# KiCad board processed.kicad_pcb (continued)
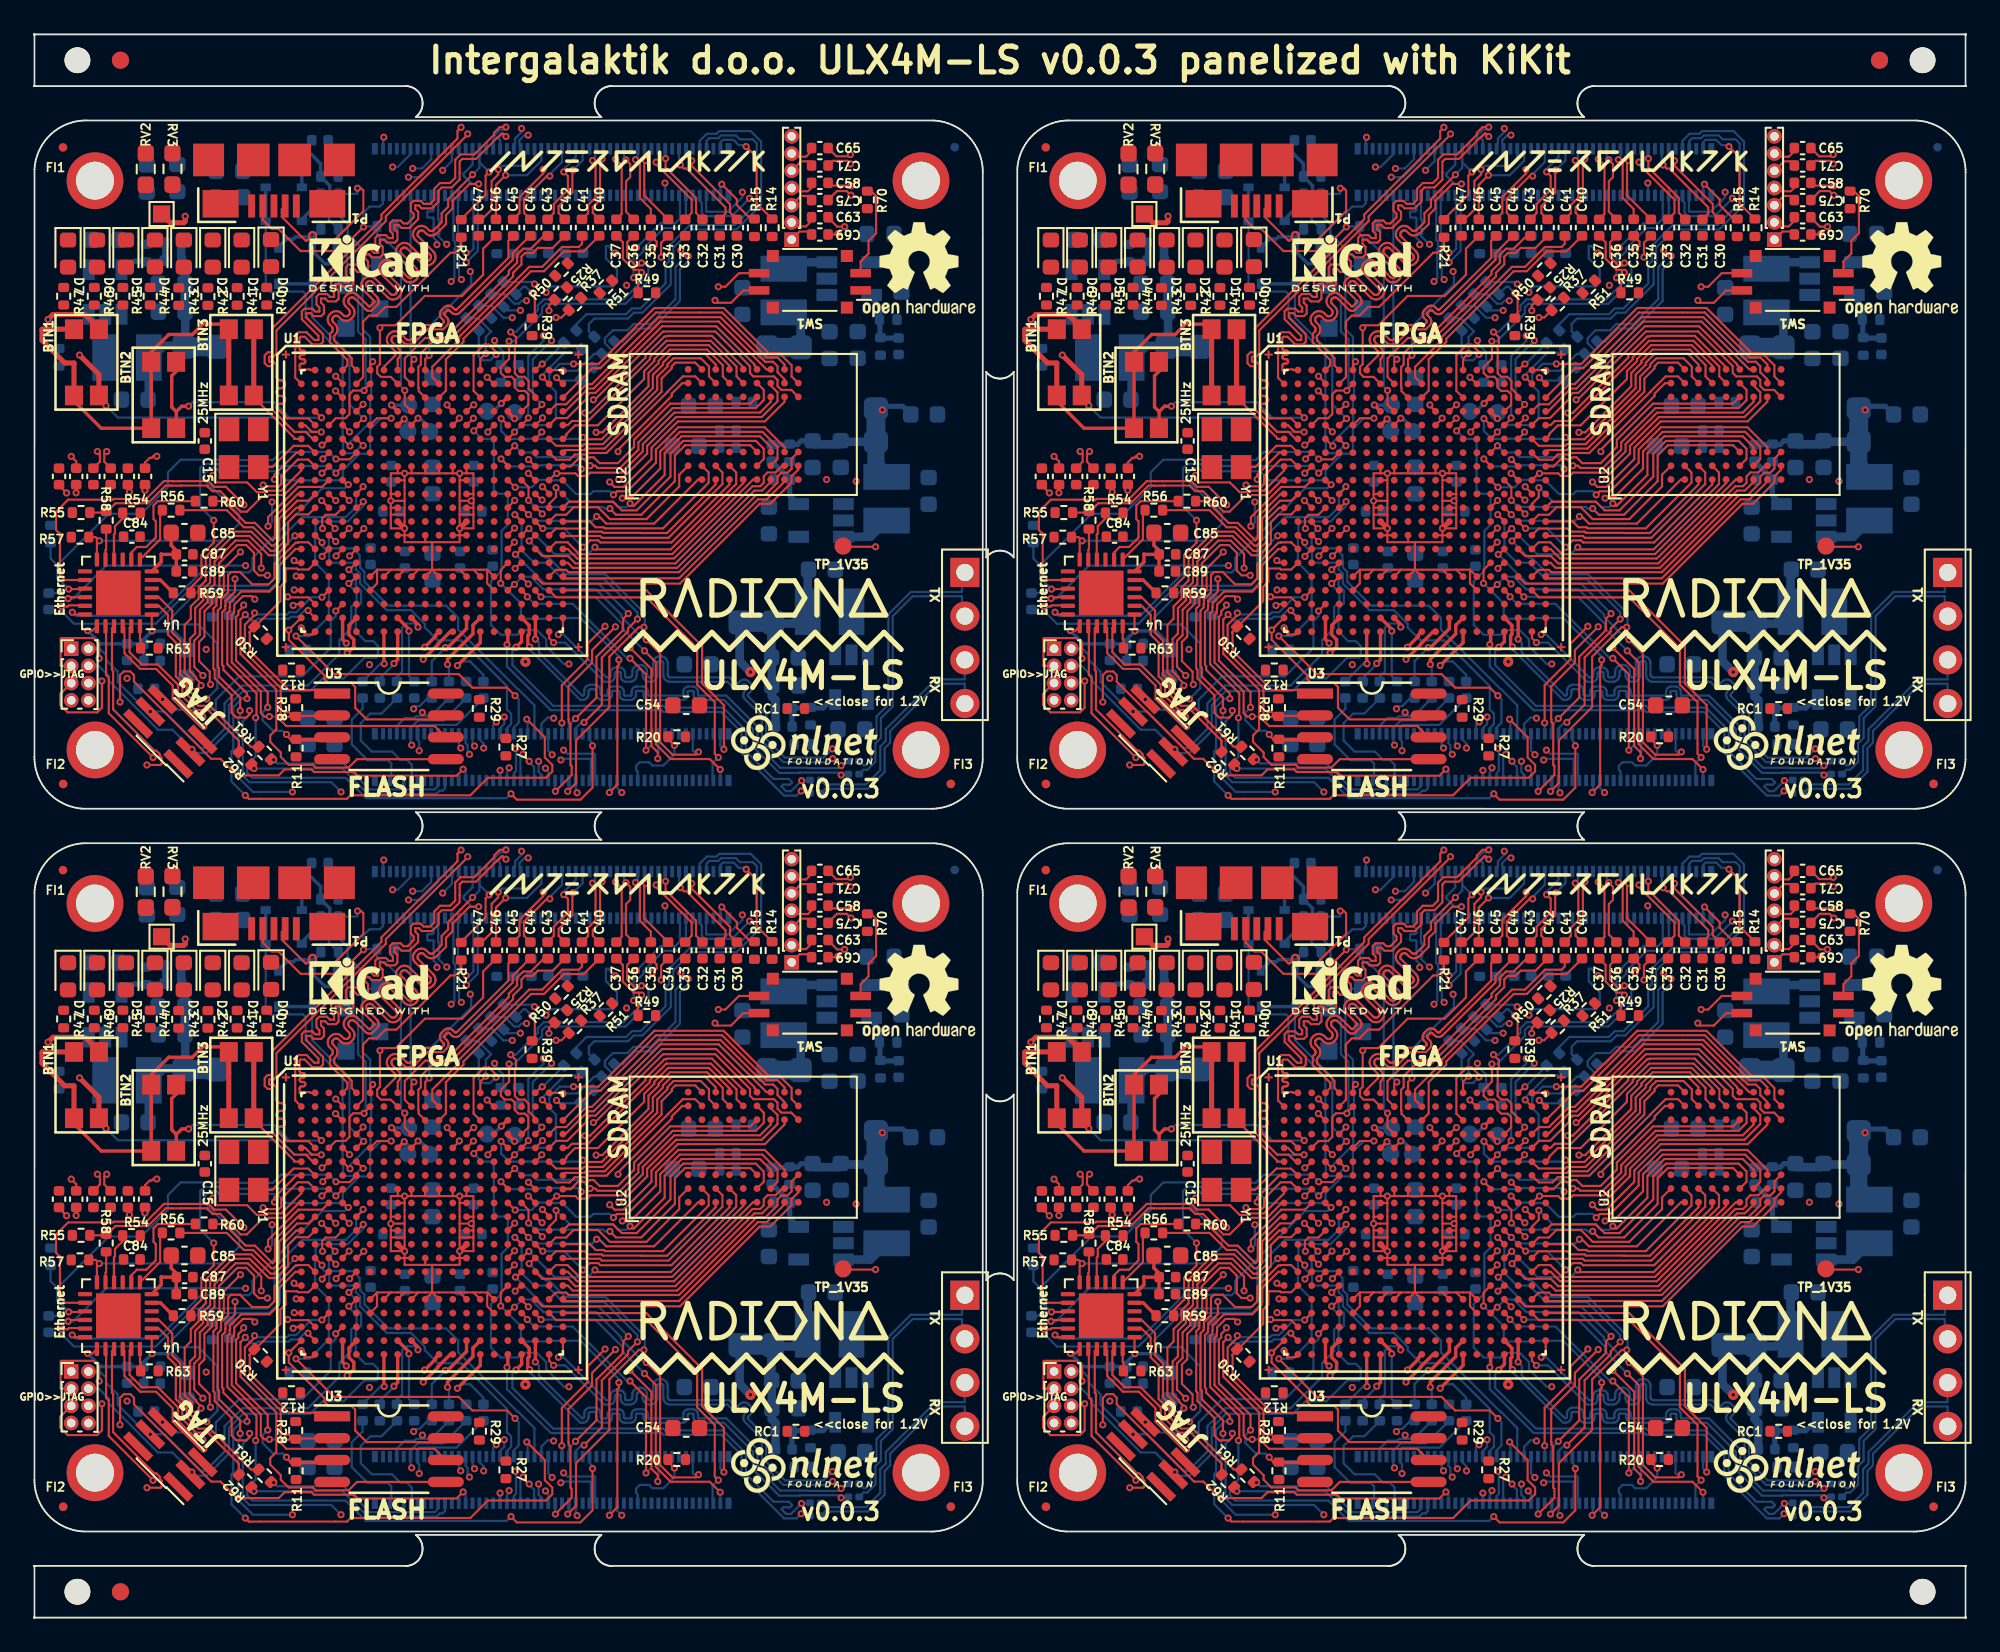
[diagram p0: board, top side]
## Routing (per net, layer and track width the routed paths; a pad name or vN(x,y) marks a point on that pad's centre or on a via; arc(x,y) is an arc through that point) (continued)
Board_1-SDRAM_D10: length 13.8
  Top w0.127: v1(88.99,62.2) 89.39,62.6 89.88,62.6 90,62.48 94.12,62.48 97.5,65.85 U2#2.D1 ; v1(86.65,63.29) 86.62,63.29 U1#2.M18
  Bottom w0.127: v1(88.99,62.2) 87.9,63.29 v1(86.65,63.29)
Board_1-SDRAM_D11: length 11.9
  Top w0.127: U2#2.C2 97.09,66.54 97.09,65.88 93.96,62.75 90.09,62.75 89.98,62.85 87.86,62.85 U1#2.N20
Board_1-SDRAM_D12: length 11.4
  Top w0.127: U2#2.C1 96.7,65.85 93.87,63.03 92.39,63.03 92.38,63.04 90.16,63.04 90.09,63.11 89.28,63.11 89.1,63.29 87.41,63.29 U1#2.N19
Board_1-SDRAM_D13: length 10.9
  Top w0.127: U2#2.B2 96.29,66.54 96.29,65.95 93.64,63.3 90.26,63.3 90.19,63.36 89.72,63.36 89.39,63.7 U1#2.M20
Board_1-SDRAM_D14: length 10.4
  Top w0.127: U1#2.M19 87.41,64.09 88.01,64.09 88.45,64.53 89.86,64.53 90.55,63.84 92.68,63.84 94.58,65.74 94.58,66.42 U2#2.A2
Board_1-SDRAM_D15: length 12.1
  Top w0.127: v1(89.78,63.99) 89.92,63.99 90.33,63.58 93.12,63.58 95.68,66.14 U2#2.B1 ; U1#2.L17 v1(85.82,64.1)
  Bottom w0.127: v1(89.78,63.99) 89.53,63.74 86.18,63.74 v1(85.82,64.1)
Board_1-SDRAM_DQM0: length 13.9
  Top w0.127: U2#2.E8 97.91,72.13 97.91,72.7 96.41,74.2 93.83,74.2 92.88,73.24 92.88,73.13 89.29,69.54 88.34,69.54 88.1,69.3 U1#2.E20
Board_1-SDRAM_DQM1: length 13.4
  Top w0.127: U1#2.P20 88.1,62.1 88.65,61.55 94.28,61.55 98.87,66.14 U2#2.F1
Board_1-SDRAM_nCAS: length 13.5
  Top w0.127: U2#2.F7 98.71,70.54 94.06,70.54 91.95,68.44 91.95,68.03 91.01,67.09 89.95,67.09 89.61,67.43 89.36,67.43 89.25,67.32 88.69,67.32 88.27,66.9 U1#2.H20
Board_1-SDRAM_nCS: length 15.4
  Top w0.127: U1#2.D20 87.96,70.1 89.29,71.42 89.61,71.42 93.5,75.32 96.87,75.32 99.65,72.54 U2#2.G9
Board_1-SDRAM_nRAS: length 18.6
  Top w0.127: U1#2.G16 v1(85.02,68.09) ; U2#2.F8 99.49,71.34 99.49,70.75 99.03,70.29 94.2,70.29 92.21,68.29 92.21,67.87 91.14,66.81 89.83,66.81 89.7,66.94 v1(89.4,66.94)
  Bottom w0.127: v1(85.02,68.09) 85.41,67.7 86.01,67.7 86.28,67.44 88.9,67.44 v1(89.4,66.94)
Board_1-SDRAM_nWE: length 15.7
  Top w0.127: U1#2.E19 87.43,69.7 88.07,69.7 89.19,70.83 89.19,70.97 89.39,71.17 89.71,71.17 93.58,75.04 96.73,75.04 98.94,72.83 98.94,72.78 99.1,72.63 U2#2.F9
Board_1-SRCLK1N: length 1.4
  Top w0.127: C69#2.2 102.1,80.55 101.58,80.55 J5#2.1
Board_1-SRCLK1P: length 1.6
  Top w0.127: C63#2.1 102.27,81.17 101.95,80.85 101.34,80.85 J5#2.2
Board_1-SRX11N: length 1.5
  Top w0.127: C71#2.2 102.03,84.63 101.66,84.63 J5#2.5
Board_1-SRX11P: length 1.5
  Top w0.127: J5#2.6 101.29,84.9 101.95,84.9 102.27,85.22 C65#2.1
Board_1-STX11N: length 1.5
  Top w0.127: C75#2.2 102.03,82.62 101.65,82.62 J5#2.3
Board_1-STX11P: length 1.6
  Top w0.127: J5#2.4 101.3,82.89 102.06,82.89 102.27,83.1 C58#2.1
Board_1-SW1: length 24.2
  Top w0.127: SW1#2.4 98.31,77.13 97.59,76.41 96.8,76.41 v1(96.66,76.55) ; v1(86.62,64.14) 86.26,64.5 U1#2.L18
  In2.Cu w0.127: v1(86.62,64.14) 88.64,64.14 89.28,63.5 91.98,63.5 92.73,64.25 92.73,72.84 96.44,76.55 v1(96.66,76.55)
Board_1-SW2: length 24.4
  Top w0.127: U1#2.K18 86.57,64.94 v1(86.61,64.94) ; SW1#2.3 98.05,78.13 97.26,77.34 v1(96.85,77.34)
  In2.Cu w0.127: v1(86.61,64.94) 87.14,64.42 89.93,64.42 90.4,63.95 92.01,63.95 92.48,64.41 92.48,72.96 v1(96.85,77.34)
Board_1-US2_ID: length 23.1
  Top w0.127: v1(78.63,71.31) 78.63,70.49 U1#2.D9 ; v1(76.23,80.81) 74.83,79.41 72.58,79.41 71.29,80.71 70.9,80.71 70.38,81.23 P1#2.4
  Bottom w0.127: J2#2.1 77.37,82.19 77.18,82 76.58,82 76.23,81.65 v1(76.23,80.81) 76.27,80.85 R19#2.1 77.01,80.38 77.29,80.1 77.49,80.1 78.41,79.18 78.41,71.54 v1(78.63,71.32)
Board_1-USB_FPGA_D+: length 23.1
  Top w0.127: U1#2.F4 75.43,68.08 v1(75.45,68.08) ; U1#2.A6 76.62,72.84 v1(76.77,72.98)
  Bottom w0.127: v1(75.45,68.08) 75.45,68.29 76.64,69.49 76.64,69.8 76.62,69.82 76.62,70.7 76.68,70.76 76.68,72.9 v1(76.77,72.98) 76.62,73.13 76.62,74.43 76.18,74.87 76.18,78.17 76.55,78.55 D8#2.1 75.31,80.42 75.31,80.98 74.78,81.51 R5#2.2 74.78,81.94 74.27,82.45 74.27,82.85
  Bottom w0.2: 74.27,82.85 74.27,83.22 R2#2.2 73.74,84.49 73.04,85.18 72.29,85.18 R4#2.2
Board_1-USB_FPGA_D-: length 16.7
  Top w0.127: U1#2.E3 74.62,69.7 75.18,69.7 75.42,69.94 75.42,71.09 75.63,71.3 v1(76.27,71.3) 76.27,71.34 U1#2.B6
  Bottom w0.127: R7#2.2 74.22,81.23 74.22,82.14 73.75,82.62 R1#2.2 ; R6#2.2 75.27,79.18 75.27,77.48 D9#2.1 75.92,76.73 75.92,74.74 76.36,74.3 76.36,71.4 v1(76.27,71.3)
  Bottom w0.2: R6#2.2 74.76,80.67 R7#2.2
Board_1-USB_FPGA_PULL_D+: length 20.3
  Top w0.127: U1#2.F5 76.21,68.11 v1(76.21,68.11)
  Bottom w0.127: D11#2.1 70.55,77.35 70.88,77.01 71.64,77.01 71.68,77.06 72.72,77.06 72.87,76.91 72.87,75.56 75.02,73.41 75.02,68.31 75.05,68.28 75.05,67.68 75.06,67.67 75.67,67.67 76.11,68.11 v1(76.21,68.11)
  Bottom w0.2: D11#2.1 D10#2.2
Board_1-USB_FPGA_PULL_D-: length 11.6
  Top w0.127: U1#2.E5 76.2,69.68 v1(76.24,69.68)
  Bottom w0.127: D12#2.2 73.25,77.48 73.25,75.56 75.42,73.39 75.42,70.5 v1(76.24,69.68)
  Bottom w0.2: D13#2.1 73.22,77.51 D12#2.2
Board_1-USB_N: length 10.4
  Top w0.127: P1#2.2 71.48,81.83 71.48,81.4 72.87,80.01 72.92,80.02 72.96,80.03 73,80.06 73.03,80.09 73.05,80.13 73.07,80.17 73.07,80.21 73.07,80.31 73.08,80.36 73.09,80.4 73.12,80.44 73.15,80.47 73.19,80.49 73.23,80.51 73.27,80.51 73.32,80.51 73.36,80.49 73.4,80.47 73.43,80.44 73.45,80.4 73.47,80.36 73.47,80.31 73.47,80.21 73.48,80.17 73.49,80.13 73.52,80.09 73.55,80.06 73.59,80.03 73.63,80.02 73.67,80.01 74.51,80.01 76.22,81.73 76.22,82.93 76.09,83.06 v1(75.88,83.06)
  Bottom w0.127: v1(75.88,83.06) 75.88,82.78 75.84,82.74 R1#2.1
Board_2-+1V1: length 125
  Top w0.127: 24.71,22.09 24.71,22.89 ; 24.71,22.09 25.51,22.09 ; 24.71,22.09 v1(24.71,21.29) ; U1#3.T6 19.91,18.89 ; 19.91,18.89 19.91,18.09 U1#3.U6 ; 19.91,18.89 20.71,18.89 ; U1#3.N12 24.71,20.89 ; 24.71,20.89 U1#3.N13 ; 24.71,20.89 v1(24.71,21.29) ; 24.71,20.89 24.71,20.49 23.11,20.49 ; 26.31,18.89 26.31,18.09 U1#3.U15 ; 26.31,18.89 U1#3.T15 ; 26.31,18.89 25.51,18.89 ; U1#3.N8 21.51,20.89 ; 21.51,20.89 v1(21.51,21.29) ; 21.51,20.89 U1#3.N9 ; 21.51,20.89 21.51,20.49 22.71,20.49 ; v1(24.71,21.29) 25.51,21.29 25.51,22.09 ; v1(20.71,22.89) 21.51,22.89 ; v1(20.71,22.89) 20.71,22.49 ; v1(20.71,22.89) 20.71,23.29 ; U1#3.J8 21.51,24.09 ; 21.51,24.09 21.51,22.89 ; 21.51,24.09 v1(21.51,24.49) ; 20.71,22.49 20.71,22.09 ; 20.71,22.49 U1#3.L8 ; U1#3.H13 25.11,24.49 ; 25.11,24.49 v1(24.71,24.49) ; 25.11,24.49 25.51,24.49 25.51,23.29 ; 24.31,24.49 v1(24.71,24.49) ; 24.31,24.49 U1#3.H12 ; 24.31,24.49 23.51,24.49 ; v1(24.71,24.49) 24.71,24.09 ; 21.51,22.09 v1(21.51,21.29) ; 21.51,22.09 21.51,22.89 ; 21.51,22.09 20.71,22.09 ; 23.11,20.49 23.11,18.89 ; 23.11,20.49 22.71,20.49 ; 23.11,18.89 24.71,18.89 ; 23.11,18.89 U1#3.T11 ; 23.11,18.89 22.31,18.89 ; 23.11,18.89 U1#3.T10 ; 23.51,24.49 22.71,24.49 ; 23.51,24.49 U1#3.H11 ; 24.71,24.09 24.71,22.89 ; 24.71,24.09 U1#3.J13 ; v1(21.51,24.49) 21.91,24.49 ; v1(21.51,24.49) 21.11,24.49 ; 21.91,24.49 22.71,24.49 ; 21.91,24.49 U1#3.H9 ; v1(25.38,22.89) 25.51,22.77 25.51,22.49 ; v1(25.38,22.89) 25.51,23.02 25.51,23.29 ; v1(25.38,22.89) 24.71,22.89 ; 24.71,18.89 25.51,18.89 ; 24.71,18.89 U1#3.T13 ; U1#3.T14 25.51,18.89 ; U1#3.H10 22.71,24.49 ; 21.51,18.89 22.31,18.89 ; 21.51,18.89 20.71,18.89 ; 21.51,18.89 U1#3.T8 ; v1(21.51,21.29) 20.71,21.29 20.71,22.09 ; U1#3.K13 25.51,23.29 ; U1#3.L13 25.51,22.49 ; 25.51,22.49 25.51,22.09 ; 22.71,20.49 U1#3.N10 ; 21.11,24.49 U1#3.H8 ; 21.11,24.49 20.71,24.49 20.71,23.29 ; 22.31,18.89 U1#3.T9 ; U1#3.T7 20.71,18.89 ; 20.71,23.29 U1#3.K8
  Top w0.3: 1.1V_1#2.1 7.9,39.05 8.68,39.05 8.76,39.14 v1(8.76,39.43) ; U1#3.M8 v1(21.51,21.29) ; U1#3.M13 v1(24.71,21.29)
  In2.Cu w0.3: v1(19.47,13.37) 19.14,13.04 11.2,13.04 v1(9.98,14.26)
  In3.Cu w0.3: v1(9.98,14.26) 9.93,14.31 9.93,22.06 9.45,22.55 9.45,29.53 9.1,29.88 9.1,39.09 v1(8.76,39.43) ; v2(28.53,13.55) 27.62,12.64 20.21,12.64 v1(19.47,13.37) 21.27,15.18 21.27,15.55 22.5,16.78 22.54,16.78 22.8,17.03 22.8,20.01 v1(21.51,21.29)
  In3.Cu w0.5: v2(28.53,13.55) 29.44,12.64 41.3,12.64 v2(41.61,12.94)
  Bottom w0.5: RP1#3.2 40.98,13.57 v2(41.61,12.94)
Board_2-+1V35: length 19.8
  Top w0.127: v1(48.88,20.22) 47.03,20.22 TP_1V35#3.1
  In3.Cu w0.3: v1(48.88,20.22) 46.66,22.45 46.66,23.51 v1(46.03,24.14) 47.65,24.14 v1(47.75,24.03) 48.18,24.46 48.18,25.37 47.68,25.87 48.47,26.67 48.47,29.76 48.53,29.69 49.15,29.69 49.15,28.29 v1(49.27,28.18)
  Bottom w0.3: RP4#3.2 48.99,28.18 v1(49.27,28.18) 49.48,28.39 50.45,28.39 C98#3.1
Board_2-+3.3VA: length 13.5
  Top w0.127: U4#3.1 6.82,15.36 v1(6.84,15.33) ; v1(3.09,15.35) 3.38,15.35 U4#3.19
  In3.Cu w0.2: v1(3.09,15.35) 3.11,15.33 v1(6.84,15.33)
  Bottom w0.2: C90#3.1 C86#3.1 3.86,14.58 v1(3.09,15.35) ; C90#3.1 6.36,14.85 v1(6.84,15.33) 8.06,15.33 8.84,14.55 FB1#3.2 ; C90#3.1 6.36,13.6 C88#3.1
Board_2-/ethernet/ACTLED: length 12.2
  Top w0.127: R61#3.2 12.58,8.61 10.2,10.98 9.52,10.98 8.85,11.65 8.85,12.43 8.47,12.8 8.47,14.77 8.01,15.23 8.01,16.51 7.23,17.29 U4#3.3
Board_2-/ethernet/LINKLED: length 11.2
  Top w0.127: R62#3.2 11.88,8.95 10.1,10.73 9.41,10.73 8.59,11.55 8.59,12.32 8.22,12.7 8.22,14.67 7.76,15.13 7.76,16.27 7.23,16.79 U4#3.2
Board_2-/ethernet/RBIAS: length 1.3
  Top w0.127: U4#3.24 6.13,14.88 6.17,14.84 R63#3.1
Board_2-/ethernet/XTAL: length 1.6
  Top w0.2: U4#3.5 7.32,18.29 R59#3.1
Board_2-/flash/FLASH_MISO: length 16.6
  Top w0.127: U3#3.2 17.28,10.4 15.18,10.4 ; v1(14.72,17.32) 14.75,17.29 15.92,17.29 U1#3.V2 ; v1(12.81,17.18) 12.63,17.36 12.11,17.36 11.61,16.86 11.61,16.6 11.6,16.58 11.6,16.39 11.47,16.25 11.47,13.51 13.16,11.82 13.16,10.56 13.36,10.36 v1(13.66,10.36)
  Top w0.2: v1(14.71,10.49) 14.8,10.4 15.18,10.4
  In2.Cu w0.127: v1(14.72,17.32) 12.95,17.32 v1(12.81,17.18)
  Bottom w0.127: v1(13.66,10.36) 14.58,10.36 v1(14.71,10.49)
Board_2-/flash/FLASH_MOSI: length 24.3
  Top w0.127: U1#3.W2 15.9,16.51 v1(15.9,16.53) ; v1(12.25,16.29) 11.97,16.01 11.97,14 14.06,11.92 14.06,9.62 13.71,9.27 13.71,8.88 14.32,8.27 14.32,8.01 14.77,7.56 16.18,7.56 16.35,7.39 18.25,7.39 18.74,7.88 U3#3.5
  Bottom w0.127: v1(15.9,16.53) 15.7,16.53 15.33,16.16 14.91,16.16 14.79,16.04 13,16.04 12.9,15.94 12.59,15.94 v1(12.25,16.29)
Board_2-/flash/FLASH_nCS: length 13.4
  Top w0.127: U3#3.1 17.09,11.9 14.79,11.9 12.51,14.18 12.51,15.22 12.48,15.26 14.29,17.06 14.29,17.9 14.6,18.21 14.6,18.96 15.26,18.96 15.32,18.9 15.92,18.9 U1#3.R2
Board_2-/flash/FLASH_nHOLD: length 13.6
  Top w0.127: U1#3.W1 15.49,16.09 v1(14.78,15.39) 14.78,14.82 16.86,12.75 16.86,12.53 17.07,12.31 18.41,12.31 18.64,12.08 18.64,10.86 19.31,10.2 23.68,10.2 U3#3.7
Board_2-/flash/FLASH_nWP: length 17.4
  Top w0.127: v1(14.64,9.32) 14.64,9.28 14.92,9.01 ; v1(13.56,10.89) 13.56,11.78 11.72,13.61 11.72,16.15 11.85,16.28 11.85,16.48 12.16,16.78 v1(12.16,16.84) ; 16.31,15.27 16.16,15.13 15.72,15.13
  Top w0.19: 15.72,15.13 15.72,15.31 v1(15.51,15.51) ; U1#3.Y2 16.31,15.27
  Top w0.2: U3#3.3 17.16,9.01 14.92,9.01
  In2.Cu w0.127: v1(12.16,16.84) 12.22,16.78 12.98,16.78 13.47,16.29 14.73,16.29 v1(15.51,15.51)
  Bottom w0.127: v1(14.64,9.32) 14.43,9.53 13.87,9.53 13.26,10.14 13.26,10.59 v1(13.56,10.89)
Board_2-/flash/FLASH_SCK: length 22.3
  Top w0.127: U3#3.6 23.25,9.81 14.64,9.81 14.31,10.14 14.31,12.02 12.23,14.11 12.23,15.69 12.79,16.26 v1(12.79,16.38) ; U1#3.U3 v1(16.71,17.29)
  Bottom w0.127: v1(12.79,16.38) 12.88,16.29 14.68,16.29 14.8,16.42 15.21,16.42 16.09,17.29 v1(16.71,17.29)
Board_2-/gpio/CAM0_D0_LP: length 11.8
  Top w0.127: R21#3.2 24.8,37.68 24.43,37.31 24.18,37.31 21.03,34.16 20.4,34.16 19.9,33.66 19.45,33.66 19.1,33.32 19.1,30.09 U1#3.B5
Board_2-/power/FB1: length 3.8
  Bottom w0.3: U5#3.5 46.31,11.34 45.83,10.86 44.05,10.86 44.02,10.83 44.02,9.79 C2#3.2
Board_2-/power/FB2: length 3.8
  Bottom w0.3: C10#3.2 7.57,37.88 7.57,36.84 7.54,36.81 5.76,36.81 5.27,36.33 U6#3.5
Board_2-/power/FB3: length 3.8
  Bottom w0.3: U7#4.5 48.65,34.64 49.13,34.16 49.13,32.38 49.17,32.35 50.2,32.35 50.22,32.36
Board_2-/power/FB4: length 3.1
  Bottom w0.3: U8#4.5 43.88,23.23 43.88,24.16 C77#3.2
Board_2-/power/L3: length 2.7
  Bottom w0.5: L3#3.1 43.91,36.76 U7#4.3
Board_2-/power/L4: length 2.9
  Bottom w0.5: L4#3.1 48.58,20.8 U8#4.3
Board_2-/serdes/1N: length 15.8
  Bottom w0.127: J4#3.1 53.9,18.56 53.9,17.6 50.93,17.6 49.62,16.3 49.62,11.06 48.93,10.37 48.93,9.23 48.61,8.91 48.61,7.84 48.3,7.52 48.18,7.52 C91#3.1
Board_2-/serdes/1P: length 15.8
  Bottom w0.127: J4#3.2 53.9,16.36 53.9,17.35 51.03,17.35 49.88,16.19 49.88,10.95 49.19,10.26 49.19,9.12 48.87,8.8 48.87,7.73 48.4,7.27 48.18,7.27 C92#3.1
Board_2-/serdes/2N: length 13.3
  Bottom w0.127: J4#3.3 54.06,13.64 54.06,12.52 52.37,12.52 49.47,9.63 49.47,8.95 49.15,8.63 49.15,7.25 48.32,6.42 45.95,6.42 C93#3.1
Board_2-/serdes/2P: length 13.4
  Bottom w0.127: C94#3.1 45.95,6.16 48.43,6.16 49.41,7.14 49.41,8.52 49.73,8.84 49.73,9.52 52.47,12.27 54.06,12.27 54.06,11.12 J4#3.4
Board_2-/serdes/CLK_0_N: length 30.1
  Top w0.127: C66#3.1 1.43,23.79 v1(1.87,23.35)
  Top w0.2: v1(22.59,13.69) 23.45,14.54 23.45,14.57 24.17,15.29 U1#3.Y12
  In2.Cu w0.127: v1(22.59,13.69) 21.31,12.41 10.76,12.41 2.16,21.01 2.16,23.06 v1(1.87,23.35)
Board_2-/serdes/CLK_0_P: length 30.1
  Top w0.127: C59#4.2 2.43,23.37 v1(2.42,23.37)
  Top w0.2: v1(22.67,14.39) 23.31,15.02 23.31,15.09 U1#3.Y11
  In2.Cu w0.127: v1(2.42,23.37) 2.42,21.1 10.86,12.66 20.93,12.66 21.83,13.56 21.83,13.77 21.35,14.25 21.35,14.46 21.56,14.46 22.04,13.98 22.25,13.98 22.65,14.39 v1(22.67,14.39)
Board_2-/serdes/CLK_1_N: length 69.4
  Top w0.127: U1#3.W20 30.71,15.39 v1(30.45,15.13) ; C69#3.1 46.64,38.37 v1(46.69,38.43)
  In2.Cu w0.127: v1(46.69,38.43) 46.88,38.43 47.16,38.14 47.19,38.1 47.21,38.06 47.22,38.02 47.22,37.98 47.21,37.93 47.19,37.89 47.16,37.86 46.97,37.67 46.95,37.63 46.93,37.59 46.92,37.55 46.92,37.5 46.93,37.46 46.95,37.42 46.97,37.38 47.01,37.36 47.05,37.34 47.09,37.33 47.14,37.33 47.18,37.34 47.22,37.36 47.26,37.38 47.45,37.57 47.48,37.6 47.52,37.62 47.57,37.63 47.61,37.63 47.66,37.62 47.7,37.6 47.73,37.57 47.76,37.54 47.78,37.5 47.79,37.46 47.79,37.41 47.78,37.37 47.76,37.33 47.73,37.29 47.54,37.1 47.51,37.07 47.49,37.03 47.48,36.98 47.48,36.94 47.49,36.89 47.51,36.85 47.54,36.82 47.57,36.79 47.62,36.77 47.66,36.76 47.7,36.76 47.75,36.77 47.79,36.79 47.82,36.82 48.01,37.01 48.05,37.04 48.09,37.06 48.13,37.07 48.18,37.07 48.22,37.06 48.26,37.04 48.3,37.01 48.63,36.67 49.51,36.67 49.87,36.31 49.89,36.29 49.9,36.26 49.91,36.23 49.91,36.19 49.9,36.16 49.89,36.13 49.87,36.11 49.76,36 49.71,35.93 49.67,35.86 49.65,35.77 49.65,35.69 49.67,35.61 49.71,35.53 49.76,35.46 49.83,35.4 49.9,35.34 49.97,35.31 50.06,35.29 50.14,35.29 50.22,35.31 50.3,35.34 50.37,35.4 50.95,35.98 50.98,36 51.01,36.02 51.04,36.02 51.07,36.02 51.11,36.02 51.14,36 51.16,35.98 51.2,35.95 51.22,35.92 51.23,35.89 51.24,35.86 51.24,35.82 51.23,35.79 51.22,35.76 51.2,35.74 50.61,35.15 50.56,35.08 50.52,35.01 50.5,34.93 50.5,34.84 50.52,34.76 50.56,34.68 50.61,34.62 50.68,34.55 50.75,34.49 50.82,34.46 50.91,34.44 50.99,34.44 51.07,34.46 51.15,34.49 51.22,34.55 51.8,35.13 51.83,35.15 51.86,35.17 51.89,35.17 51.92,35.17 51.95,35.17 51.98,35.15 52.01,35.13 52.05,35.1 52.07,35.07 52.08,35.04 52.09,35.01 52.09,34.98 52.08,34.94 52.07,34.91 52.05,34.89 51.46,34.3 51.41,34.24 51.37,34.16 51.35,34.08 51.35,33.99 51.37,33.91 51.41,33.83 51.46,33.77 51.53,33.7 51.6,33.65 51.67,33.61 51.75,33.59 51.84,33.59 51.92,33.61 52,33.65 52.06,33.7 52.17,33.8 52.2,33.83 52.23,33.84 52.26,33.85 52.29,33.85 52.32,33.84 52.35,33.83 52.38,33.8 52.89,33.29 52.89,25.05 51.93,24.09 51.93,22.11 49.07,19.24 49.07,11.25 47.46,9.64 47.46,9.57 v1(46.37,8.48)
  Bottom w0.127: v1(30.45,15.13) 30.75,15.13 33.24,12.63 33.37,12.63 33.39,12.63 33.42,12.64 33.43,12.65 33.45,12.67 33.46,12.69 33.47,12.71 33.47,12.73 33.47,12.88 33.48,12.95 33.5,13.02 33.54,13.08 33.6,13.14 33.66,13.18 33.73,13.2 33.8,13.21 33.99,13.21 34.07,13.2 34.14,13.18 34.2,13.14 34.25,13.08 34.29,13.02 34.32,12.95 34.33,12.88 34.33,12.73 34.33,12.71 34.33,12.69 34.35,12.67 34.36,12.65 34.38,12.64 34.4,12.63 34.42,12.63 34.57,12.63 34.61,12.64 34.65,12.65 34.68,12.67 34.71,12.7 34.73,12.73 34.74,12.77 34.75,12.8 34.75,12.96 34.76,13.05 34.79,13.13 34.83,13.21 34.9,13.27 34.97,13.32 35.06,13.35 35.15,13.36 35.2,13.36 35.29,13.35 35.37,13.32 35.45,13.27 35.51,13.21 35.56,13.13 35.59,13.05 35.6,12.96 35.6,12.8 35.6,12.77 35.62,12.73 35.64,12.7 35.67,12.67 35.7,12.65 35.73,12.64 35.77,12.63 35.81,12.64 35.85,12.65 35.88,12.67 35.91,12.7 35.93,12.73 35.94,12.77 35.95,12.8 35.95,13.46 35.96,13.55 35.99,13.63 36.03,13.71 36.1,13.77 36.17,13.82 36.26,13.85 36.35,13.86 36.4,13.86 36.49,13.85 36.57,13.82 36.65,13.77 36.71,13.71 36.76,13.63 36.79,13.55 36.8,13.46 36.8,12.8 36.8,12.77 36.82,12.73 36.84,12.7 36.87,12.67 36.9,12.65 36.93,12.64 36.97,12.63 40.38,12.63 40.72,12.3 40.74,12.28 40.76,12.27 40.79,12.26 40.82,12.26 40.84,12.27 40.87,12.28 40.89,12.3 40.99,12.41 41.06,12.45 41.13,12.49 41.21,12.51 41.29,12.51 41.36,12.49 41.43,12.45 41.5,12.41 41.6,12.3 41.65,12.24 41.68,12.17 41.7,12.09 41.7,12.01 41.68,11.94 41.65,11.86 41.6,11.8 41.49,11.7 41.48,11.67 41.46,11.65 41.46,11.62 41.46,11.6 41.46,11.57 41.48,11.54 41.49,11.52 42.53,10.49 42.53,9.06 43.61,7.97 45.86,7.97 v1(46.37,8.48)
Board_2-/serdes/CLK_1_P: length 69.4
  Top w0.127: U1#3.Y19 29.91,14.92 v1(30.17,14.66) ; C63#3.2 46.12,39.35 46.65,38.83 v1(47.08,38.83)
  In2.Cu w0.127: v1(47.08,38.83) 47.08,38.58 48.73,36.93 49.35,36.93 49.44,37.02 49.54,37.02 49.67,36.89 49.67,36.87 50.07,36.48 50.12,36.41 50.16,36.34 50.18,36.25 50.18,36.17 50.16,36.09 50.12,36.01 50.07,35.94 49.96,35.84 49.94,35.81 49.93,35.78 49.92,35.75 49.92,35.72 49.93,35.68 49.94,35.65 49.96,35.63 50,35.59 50.02,35.57 50.05,35.56 50.08,35.55 50.12,35.55 50.15,35.56 50.18,35.57 50.2,35.59 50.79,36.18 50.86,36.23 50.93,36.27 51.02,36.29 51.1,36.29 51.18,36.27 51.26,36.23 51.33,36.18 51.39,36.11 51.45,36.04 51.48,35.97 51.5,35.88 51.5,35.8 51.48,35.72 51.45,35.64 51.39,35.57 50.81,34.99 50.79,34.96 50.77,34.93 50.77,34.9 50.77,34.87 50.77,34.83 50.79,34.8 50.81,34.78 50.84,34.74 50.87,34.72 50.9,34.71 50.93,34.7 50.96,34.7 51,34.71 51.03,34.72 51.05,34.74 51.64,35.33 51.7,35.38 51.78,35.42 51.86,35.44 51.95,35.44 52.03,35.42 52.11,35.38 52.17,35.33 52.24,35.26 52.3,35.19 52.33,35.12 52.35,35.03 52.35,34.95 52.33,34.87 52.3,34.79 52.24,34.72 51.66,34.14 51.64,34.11 51.62,34.08 51.61,34.05 51.61,34.02 51.62,33.99 51.64,33.96 51.66,33.93 51.69,33.89 51.72,33.87 51.75,33.86 51.78,33.85 51.81,33.85 51.85,33.86 51.88,33.87 51.9,33.89 52.01,34 52.07,34.05 52.15,34.09 52.23,34.11 52.32,34.11 52.4,34.09 52.48,34.05 52.54,34 53.15,33.4 53.15,24.94 52.19,23.98 52.19,21.99 49.34,19.14 49.34,11.16 47.71,9.54 47.71,8.15 47.48,7.91 v1(46.39,7.91)
  Bottom w0.127: v1(46.39,7.91) 46.22,7.91 46.01,7.71 43.51,7.71 42.27,8.95 42.27,10.38 41.3,11.36 41.25,11.42 41.21,11.49 41.2,11.57 41.2,11.65 41.21,11.73 41.25,11.8 41.3,11.86 41.4,11.97 41.42,11.99 41.43,12.01 41.44,12.04 41.44,12.07 41.43,12.09 41.42,12.12 41.4,12.14 41.33,12.21 41.31,12.23 41.29,12.24 41.26,12.25 41.23,12.25 41.2,12.24 41.18,12.23 41.16,12.21 41.05,12.1 40.99,12.06 40.92,12.02 40.84,12 40.76,12 40.68,12.02 40.61,12.06 40.55,12.1 40.28,12.38 36.95,12.38 36.86,12.39 36.77,12.42 36.7,12.47 36.63,12.53 36.59,12.61 36.56,12.69 36.55,12.78 36.55,13.43 36.54,13.47 36.53,13.51 36.51,13.54 36.48,13.57 36.45,13.59 36.41,13.6 36.37,13.6 36.33,13.6 36.3,13.59 36.27,13.57 36.24,13.54 36.22,13.51 36.2,13.47 36.2,13.43 36.2,12.78 36.19,12.69 36.16,12.61 36.11,12.53 36.05,12.47 35.97,12.42 35.89,12.39 35.8,12.38 35.75,12.38 35.66,12.39 35.57,12.42 35.5,12.47 35.43,12.53 35.39,12.61 35.36,12.69 35.35,12.78 35.35,12.93 35.34,12.97 35.33,13.01 35.31,13.04 35.28,13.07 35.25,13.09 35.21,13.1 35.17,13.1 35.13,13.1 35.1,13.09 35.07,13.07 35.04,13.04 35.02,13.01 35,12.97 35,12.93 35,12.78 34.99,12.69 34.96,12.61 34.91,12.53 34.85,12.47 34.77,12.42 34.69,12.39 34.6,12.38 34.4,12.38 34.33,12.39 34.26,12.41 34.2,12.45 34.14,12.5 34.1,12.57 34.08,12.64 34.07,12.71 34.07,12.86 34.07,12.88 34.06,12.9 34.05,12.92 34.03,12.93 34.02,12.95 33.99,12.95 33.97,12.95 33.82,12.95 33.8,12.95 33.78,12.95 33.76,12.93 33.75,12.92 33.73,12.9 33.73,12.88 33.73,12.86 33.73,12.71 33.72,12.64 33.69,12.57 33.65,12.5 33.6,12.45 33.54,12.41 33.47,12.39 33.39,12.38 33.12,12.38 30.84,14.66 v1(30.17,14.66)
Board_2-/serdes/S_1_N: length 3.3
  Top w0.2: U1#3.Y8 21.11,13.66 v1(20.89,13.44)
  Bottom w0.127: v1(20.89,13.44) 20.89,13.4 20.07,12.58 C68#3.1
Board_2-/serdes/S_1_P: length 3.6
  Top w0.2: U1#3.Y7 20.31,13.44 v1(20.33,13.43)
  Bottom w0.127: v1(20.33,13.43) 20.1,13.43 C62#3.2
Board_2-/serdes/S_2_N: length 32.6
  Top w0.127: v1(5.52,23.41) 5.52,23.74 C72#3.1
  Top w0.2: U1#3.W5 18.28,15.66 18.28,15.12 18.56,14.83 18.56,14.41 18.2,14.06 v1(18.17,14.06)
  In2.Cu w0.127: v1(5.52,23.41) 5.87,23.06 5.87,21.15 7.07,19.95 7.46,19.95 8.56,21.05 8.74,21.05 8.74,20.87 7.2,19.33 7.2,18.95 7.36,18.79 7.74,18.79 8.82,19.87 9,19.87 9,19.69 7.92,18.61 7.92,18.23 8.08,18.07 8.46,18.07 9.36,18.97 9.54,18.97 9.54,18.8 8.64,17.89 8.64,17.52 8.8,17.35 9.17,17.35 9.34,17.51 9.5,17.51 11.4,15.61 12.98,15.61 13.67,14.92 13.67,14.74 13.42,14.49 13.42,14.31 13.6,14.31 13.85,14.56 14.03,14.56 14.03,14.38 14.03,14.38 14.03,14.2 14.21,14.2 14.21,14.2 14.39,14.2 14.62,13.97 18.09,13.97 v1(18.17,14.06)
Board_2-/serdes/S_2_P: length 30
  Top w0.127: v1(6.42,23.5) 6.43,23.51 C55#3.2
  Top w0.2: U1#3.W4 17.91,14.84 v1(18.12,14.62)
  In2.Cu w0.127: v1(6.42,23.5) 6.14,23.22 6.14,21.23 7.17,20.2 7.35,20.2 8.46,21.3 8.85,21.3 9,21.15 9,20.76 7.45,19.22 7.45,19.06 7.47,19.04 7.63,19.04 8.72,20.12 9.11,20.12 9.25,19.98 9.25,19.59 8.17,18.5 8.17,18.34 8.19,18.32 8.35,18.32 9.26,19.23 9.65,19.23 9.8,19.08 9.8,18.69 8.89,17.78 8.89,17.62 8.91,17.6 9.07,17.6 9.23,17.77 9.61,17.77 11.51,15.87 13.09,15.87 14.71,14.25 17.75,14.25 v1(18.12,14.62)
Board_2-/serdes/S_3_N: length 5
  Top w0.2: U1#3.W9 22.29,15.72 v1(22.29,15.56)
  Bottom w0.127: v1(22.29,15.56) 22.08,15.77 21.62,15.77 21.36,15.51 21.36,12.97 21.07,12.67 C73#3.1
Board_2-/serdes/S_3_P: length 4.1